# Altium PCB Mixed_Signal_Board_PCB.PcbDoc (part 1 of 4)
Units mm, origin at the board's own origin, x right, y up, seen from the top; angles counter-clockwise.
Board outline 144 x 107 mm, 4 copper layers (Top, PWR, GND, Bottom), stack 1.514 mm thick; 243 components, 208 nets, 912 pads, 526 vias.
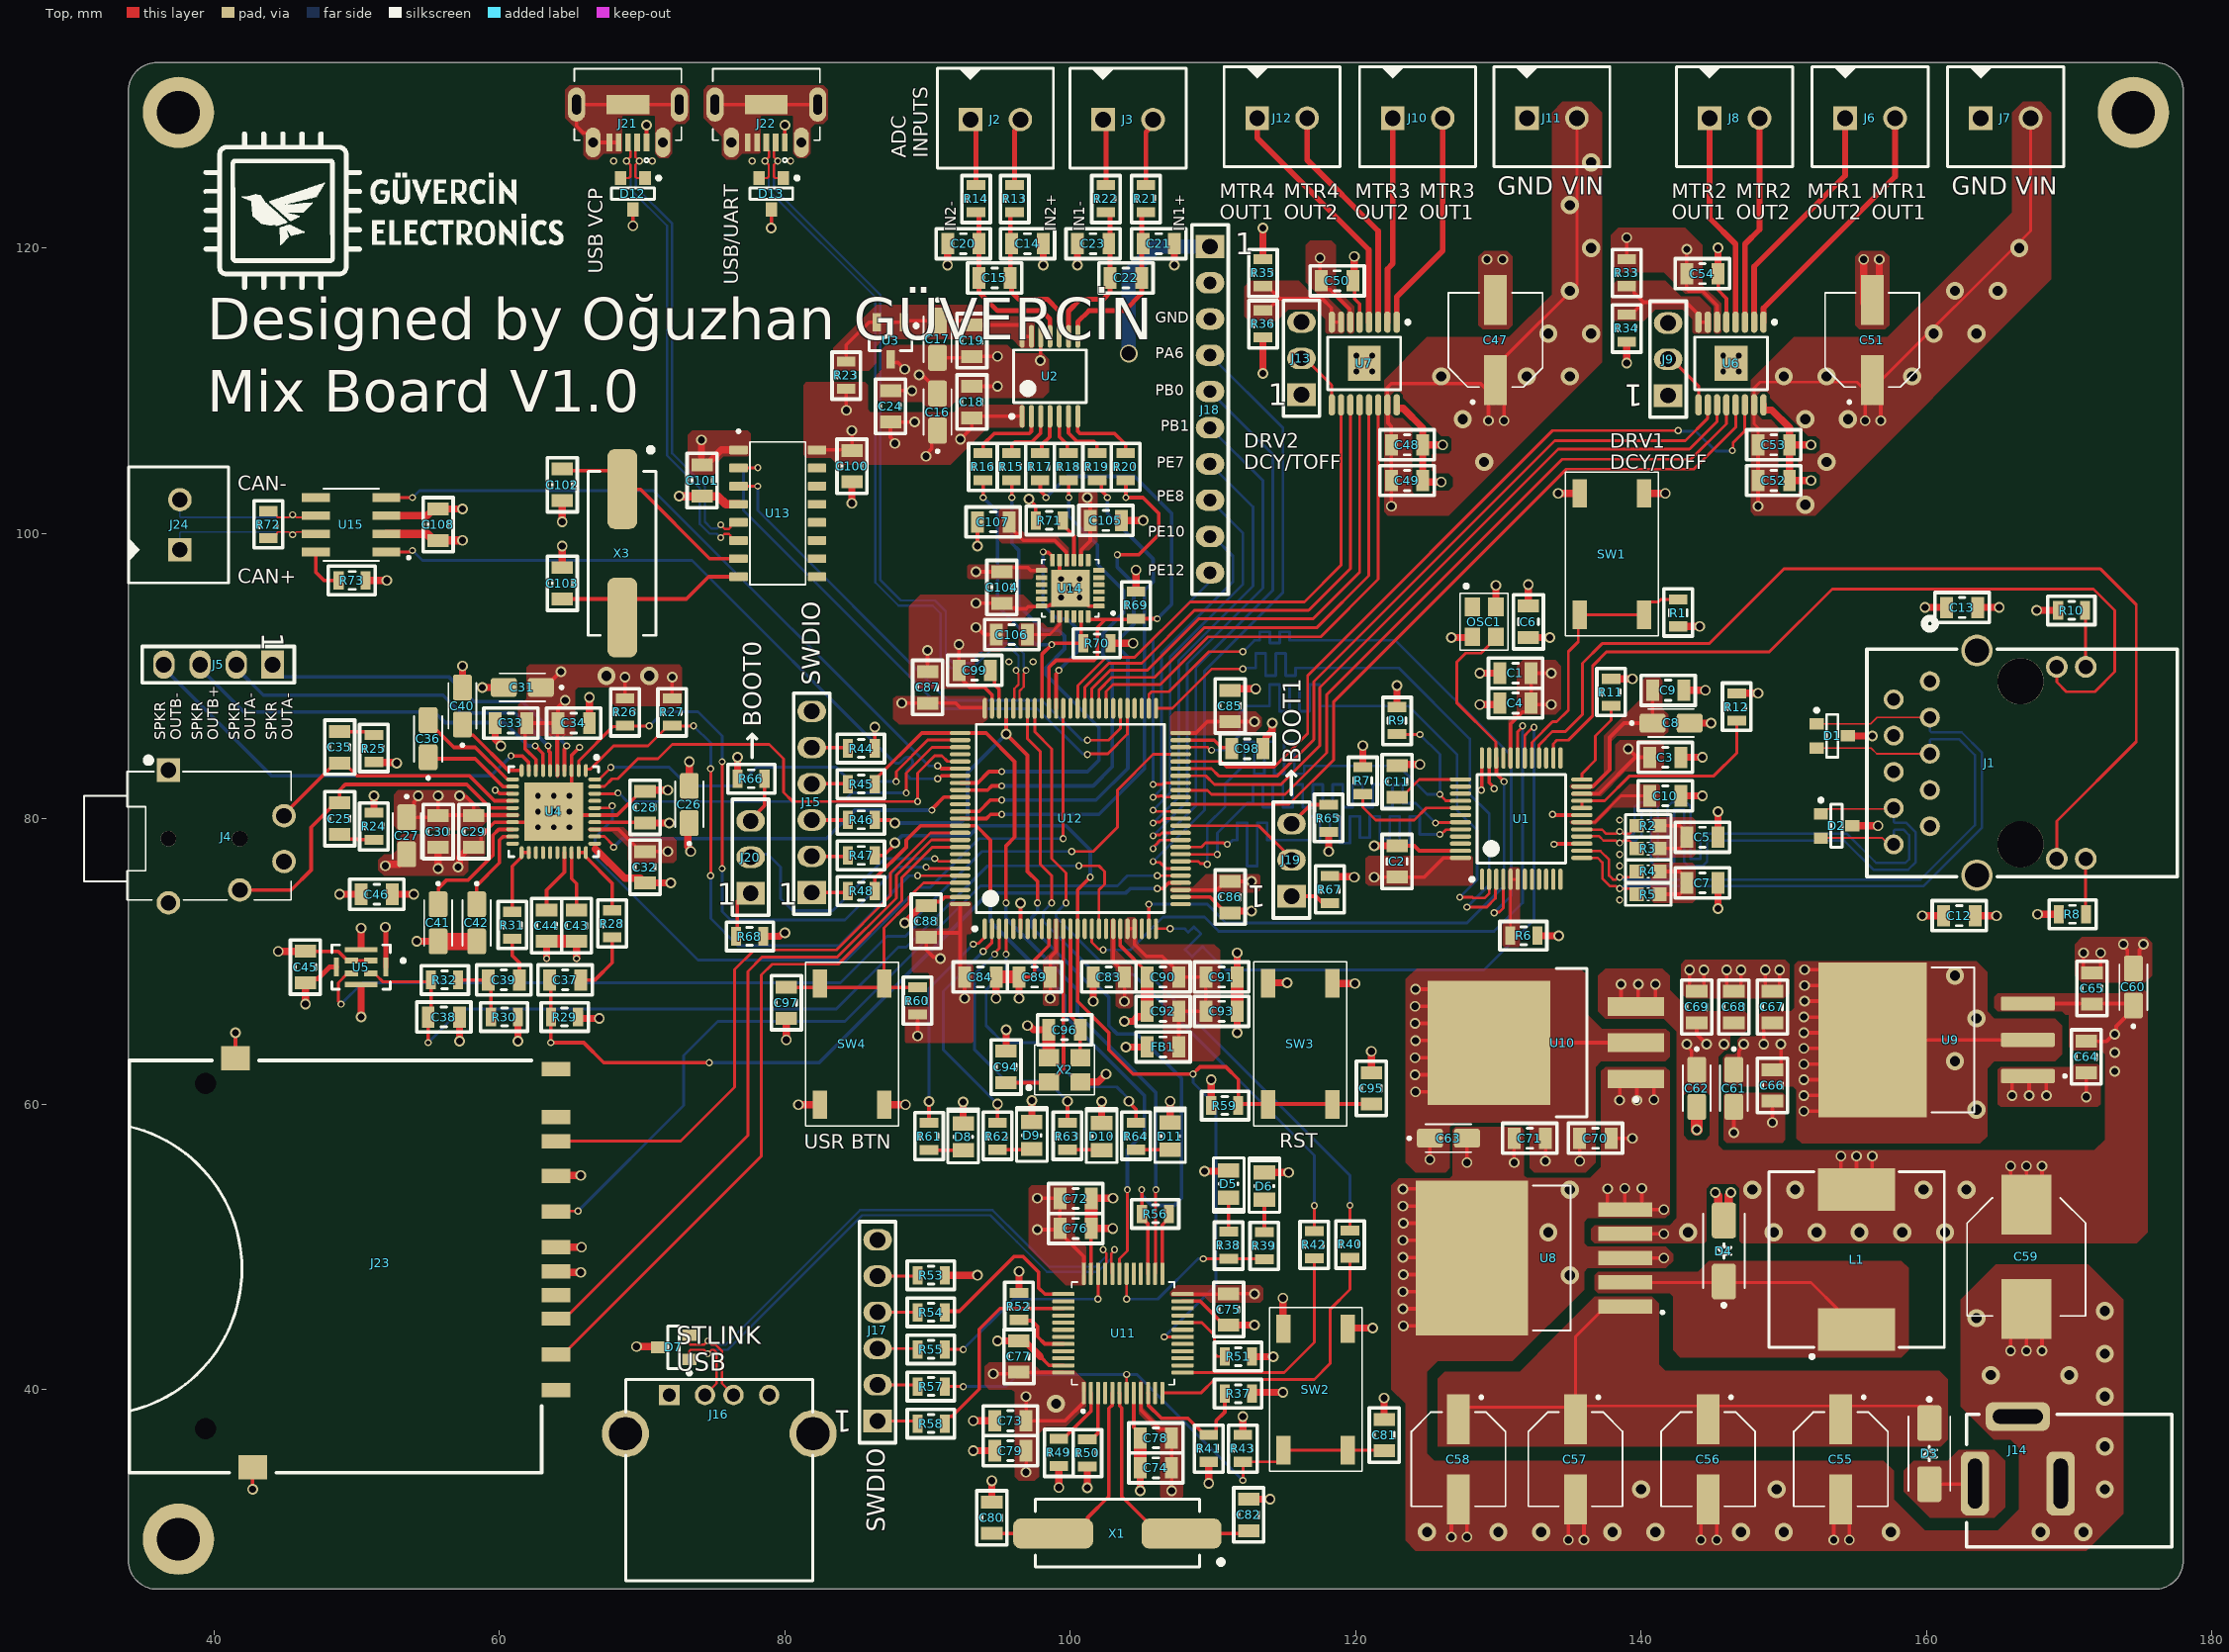
[diagram p0: Top view]
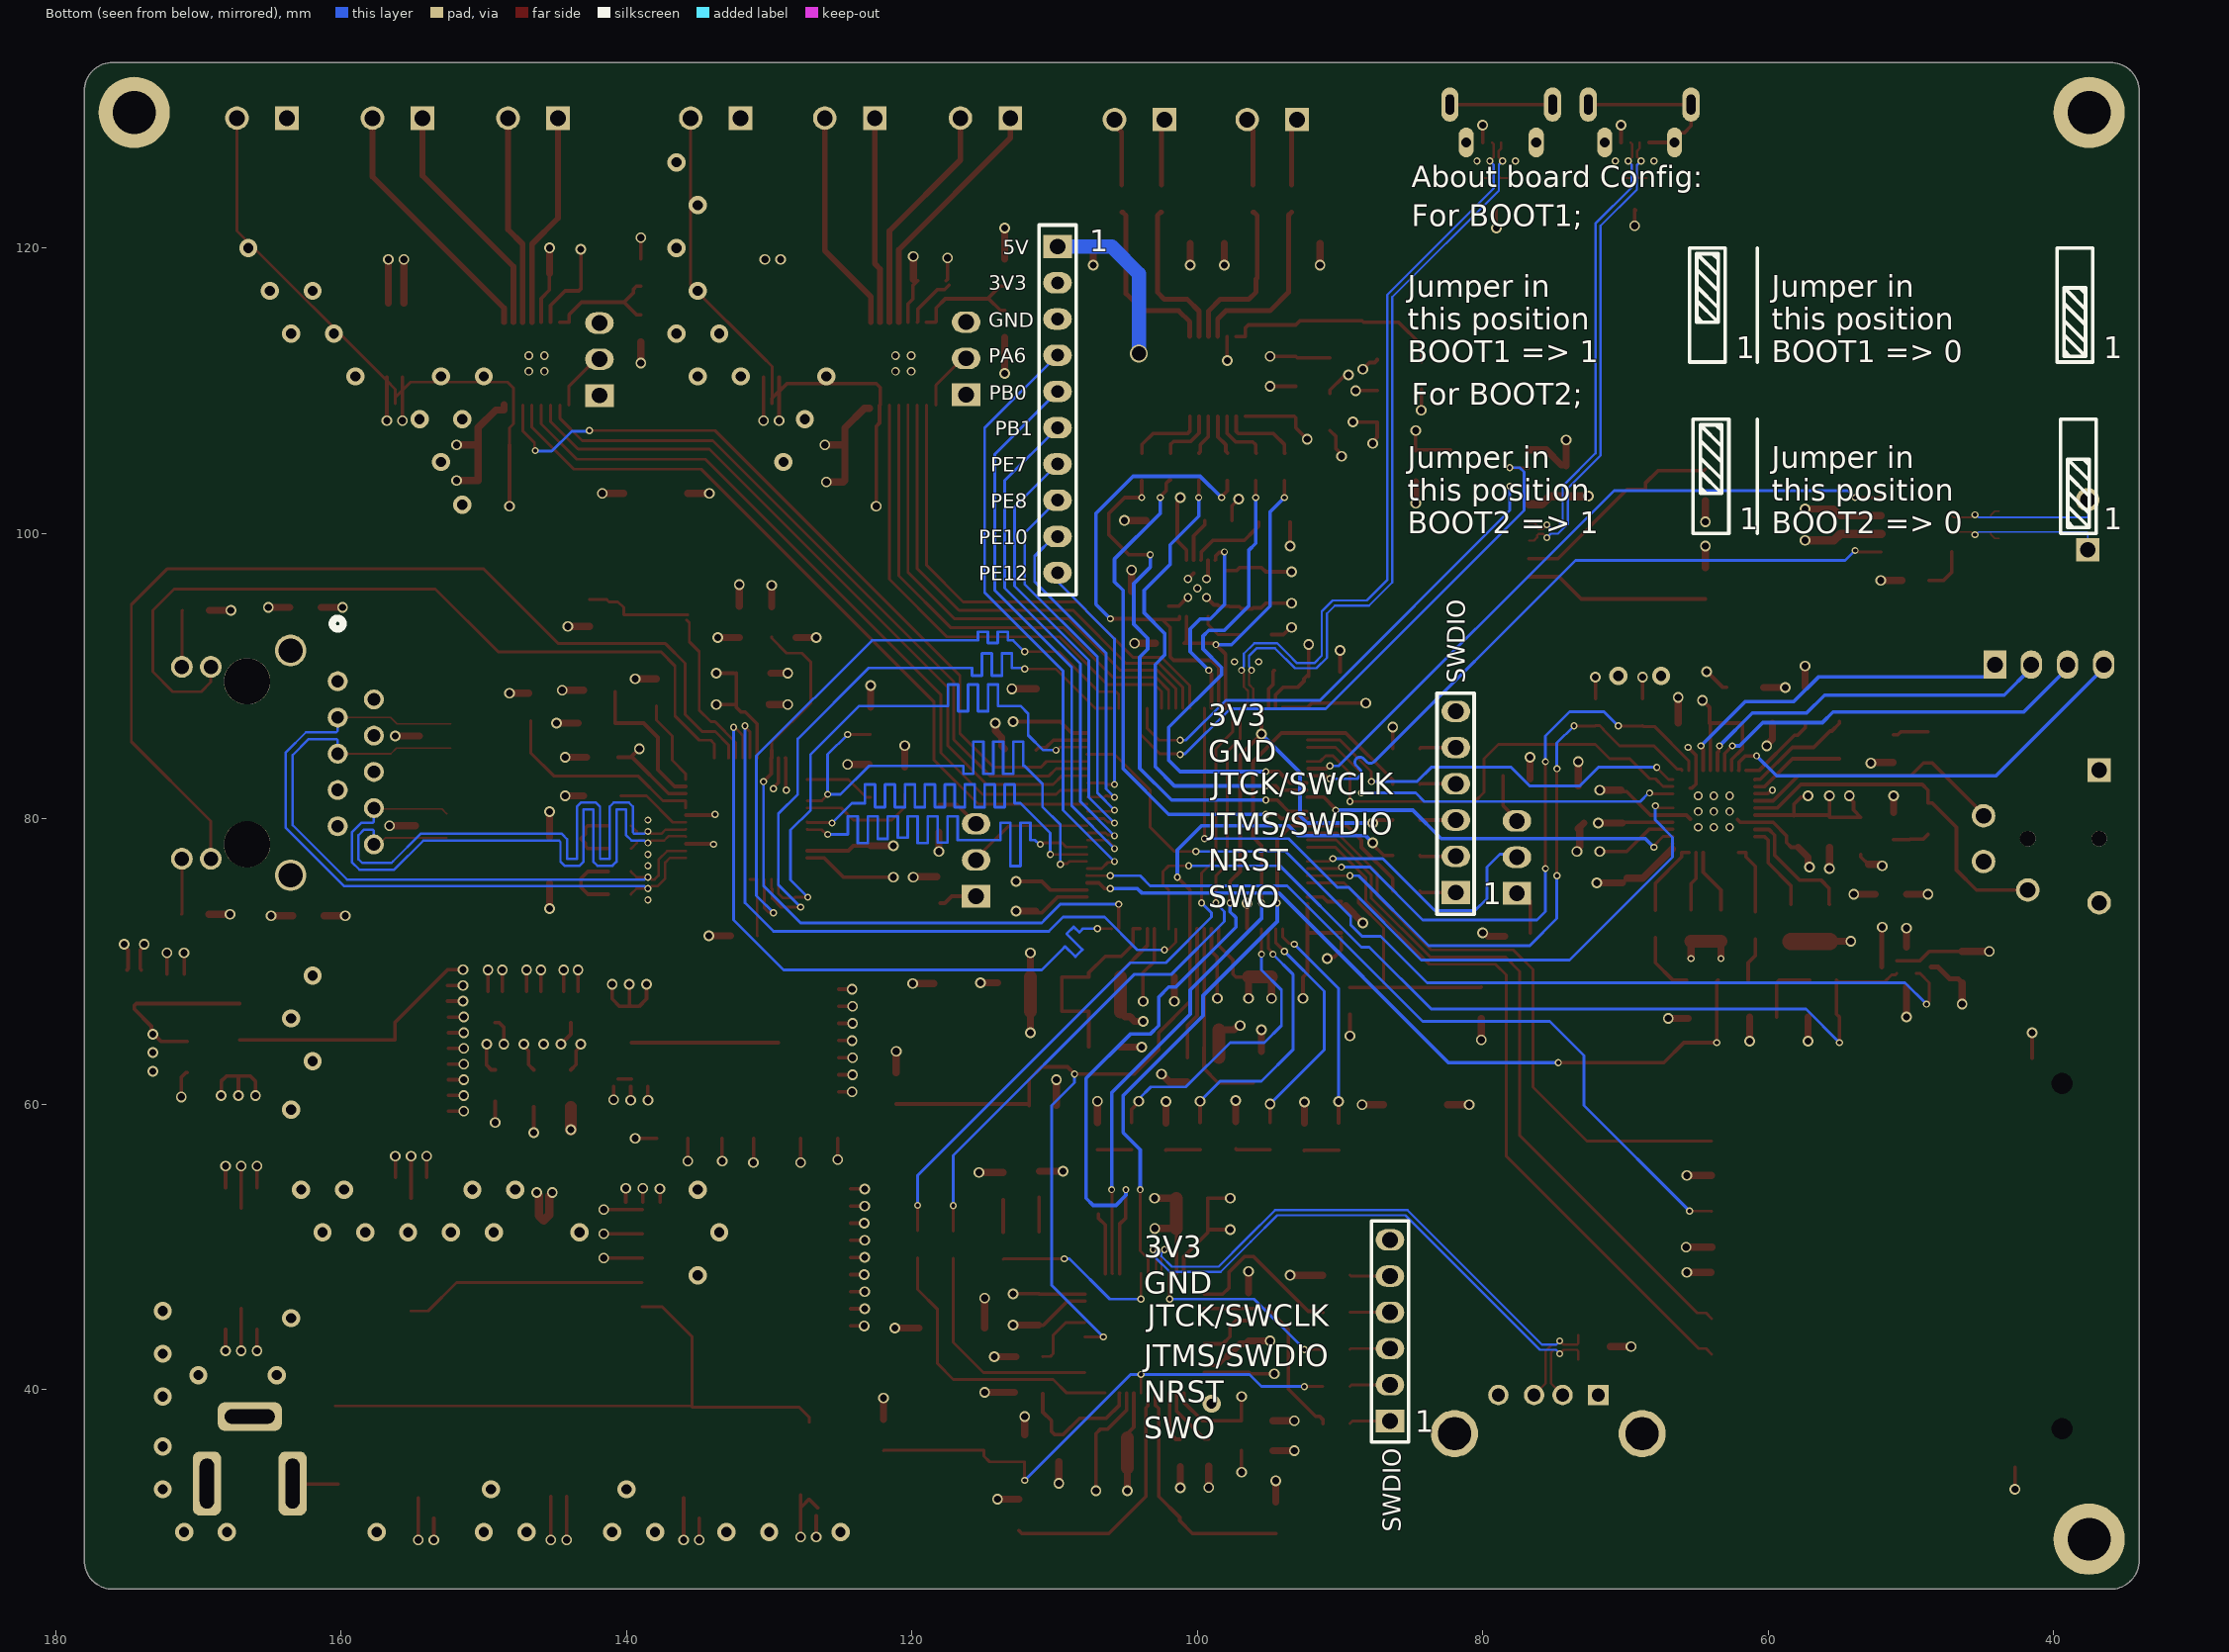
[diagram p1: Bottom view, seen from below]
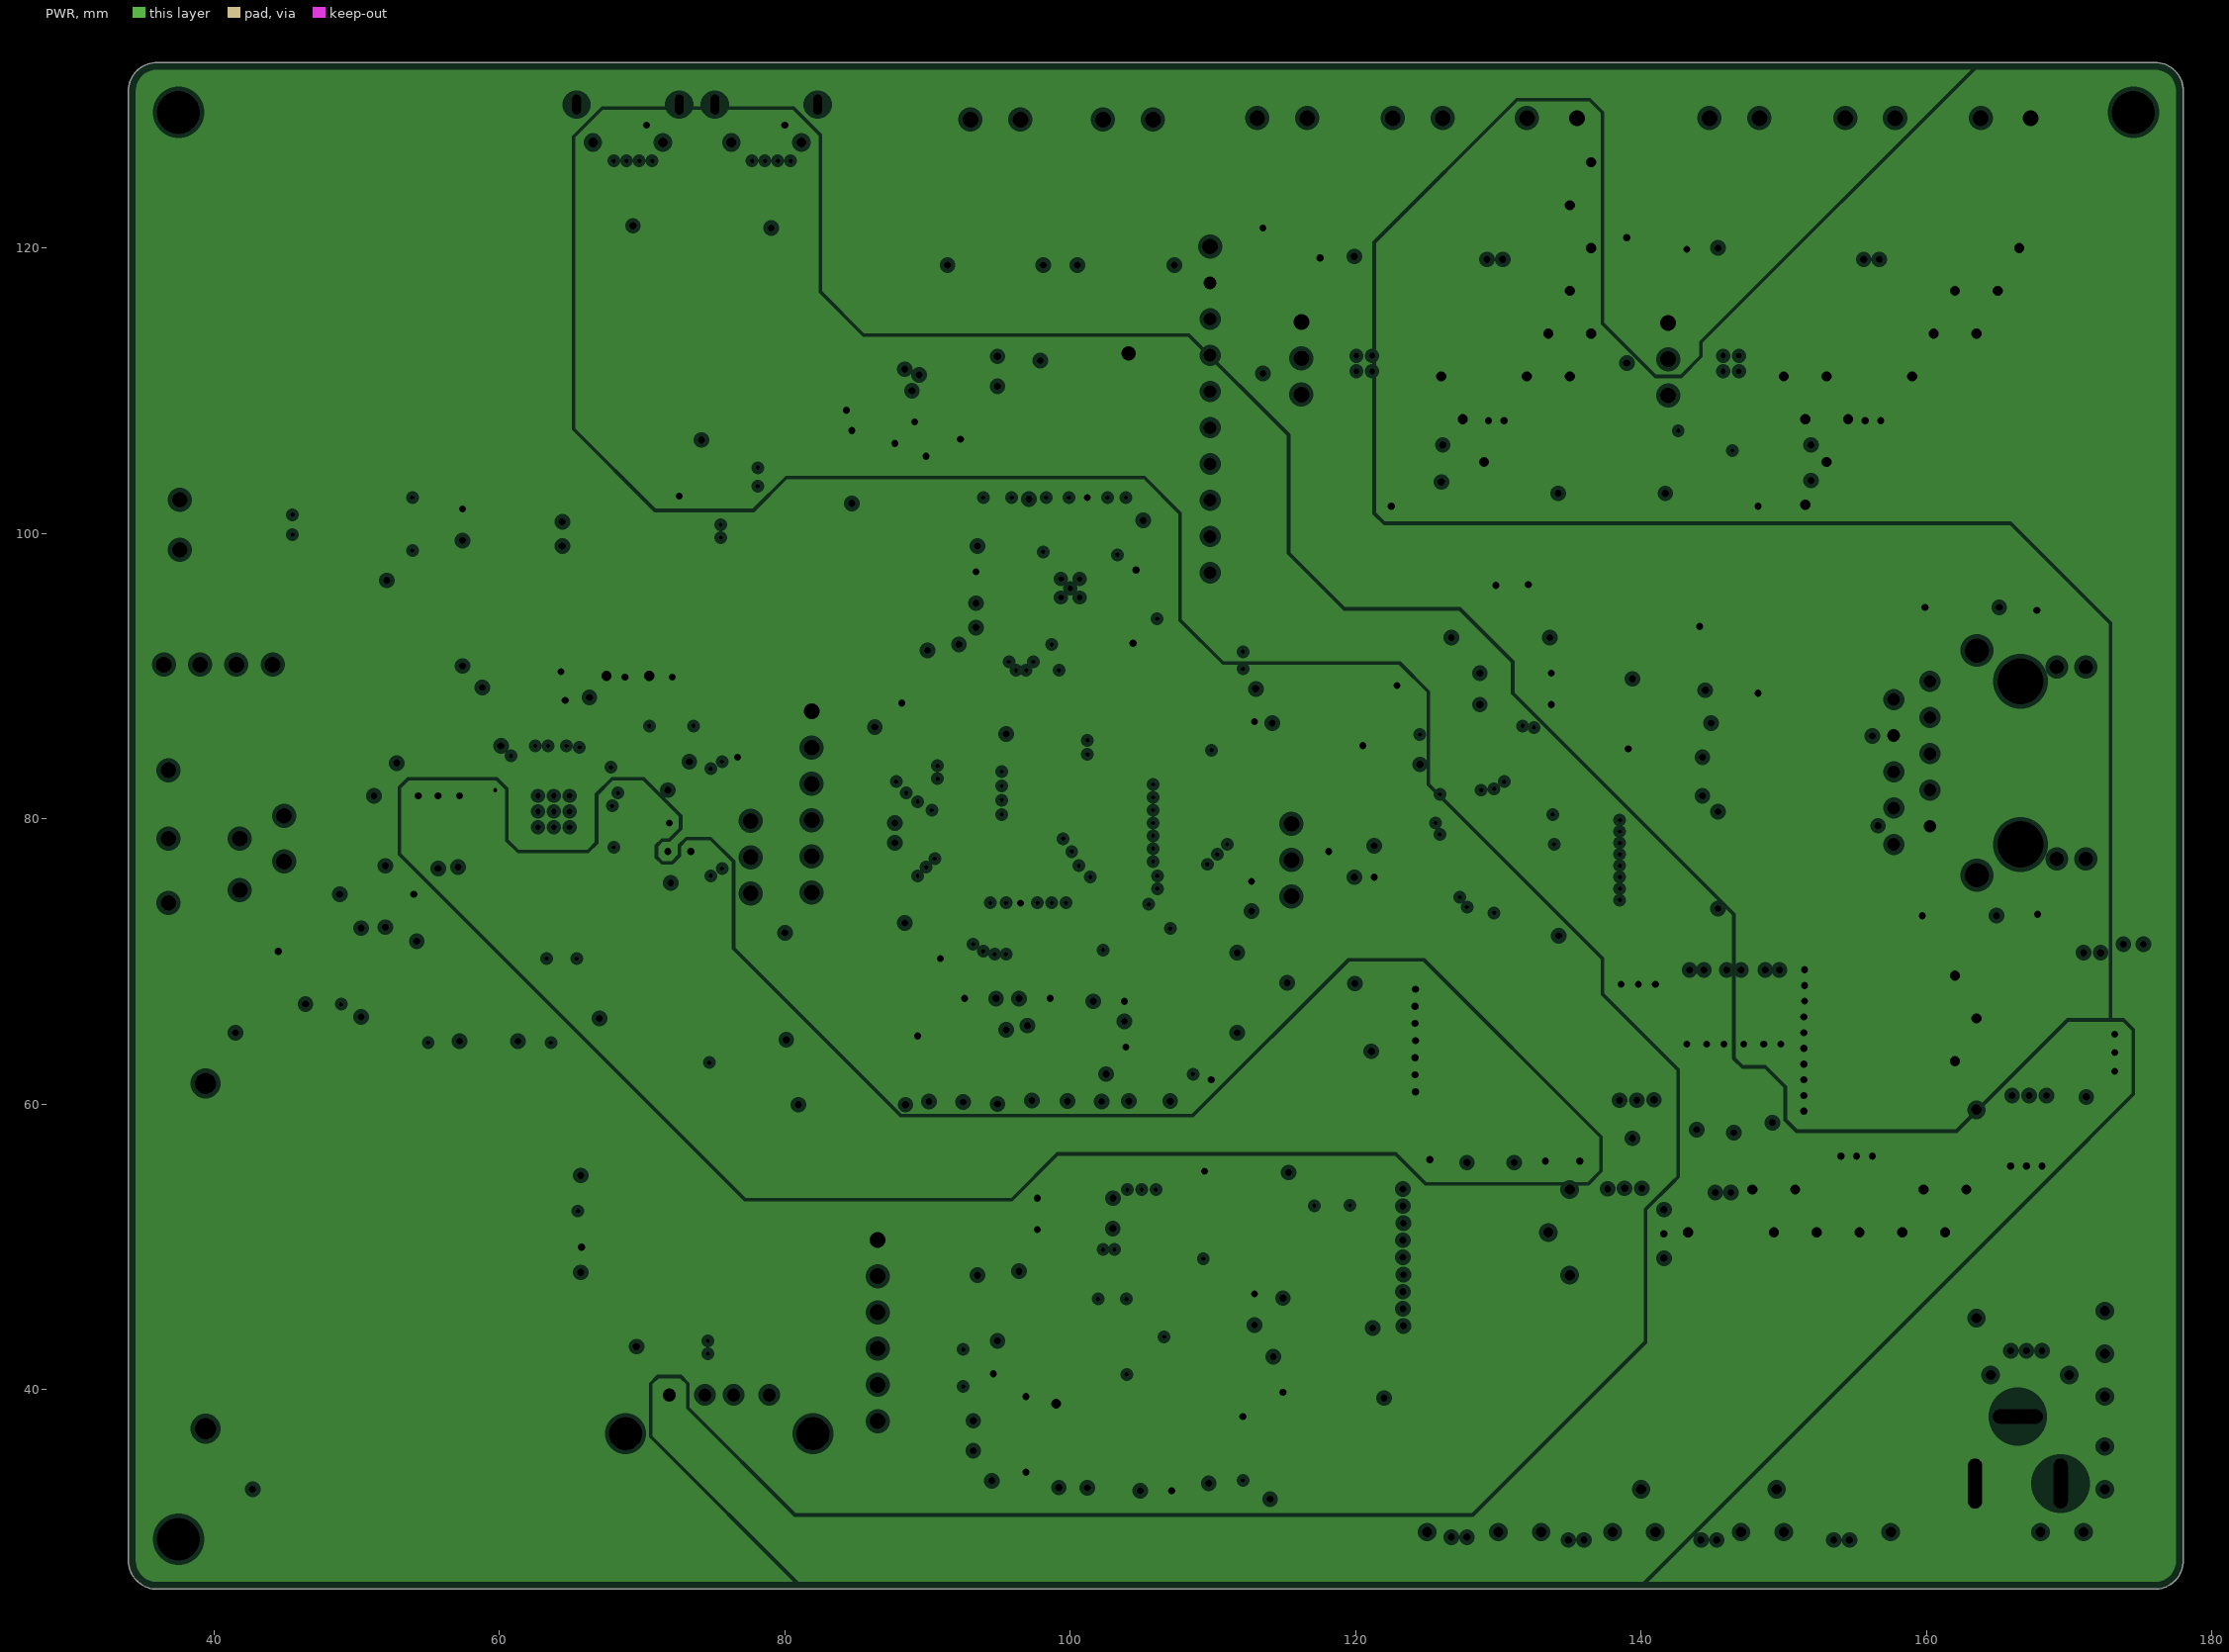
[diagram p2: PWR, clearances drawn from the general rule]
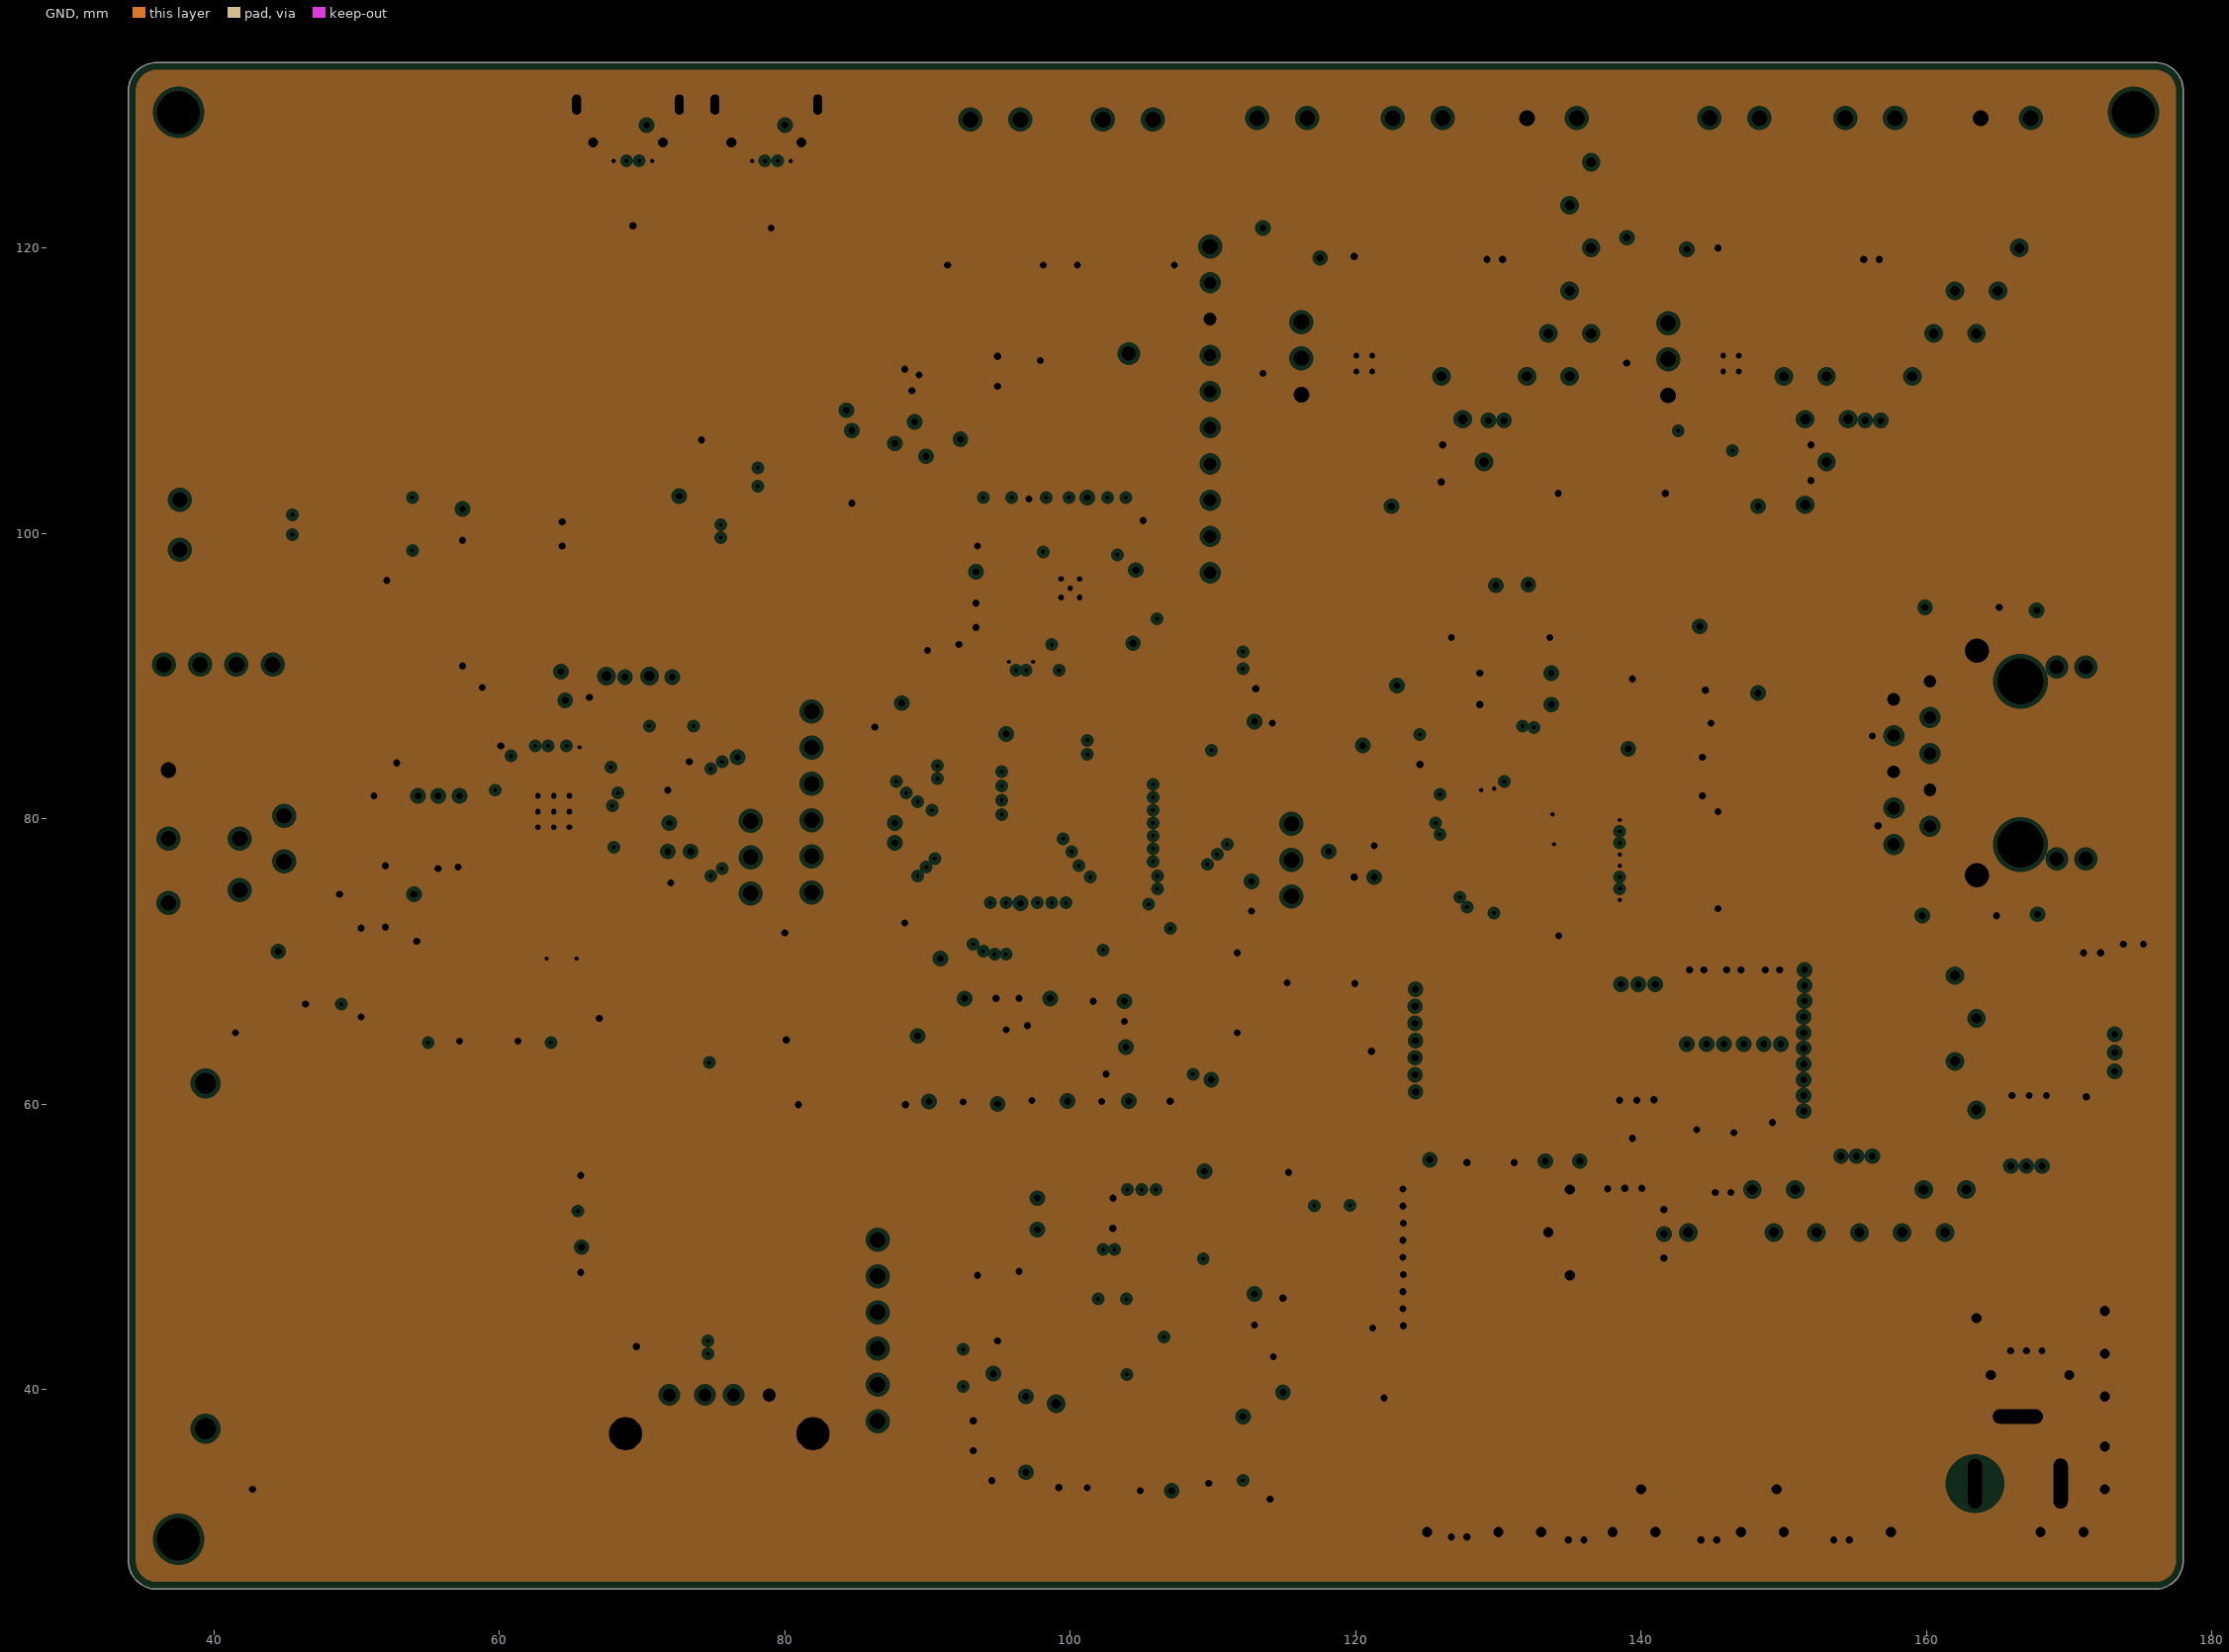
[diagram p3: GND, clearances drawn from the general rule]
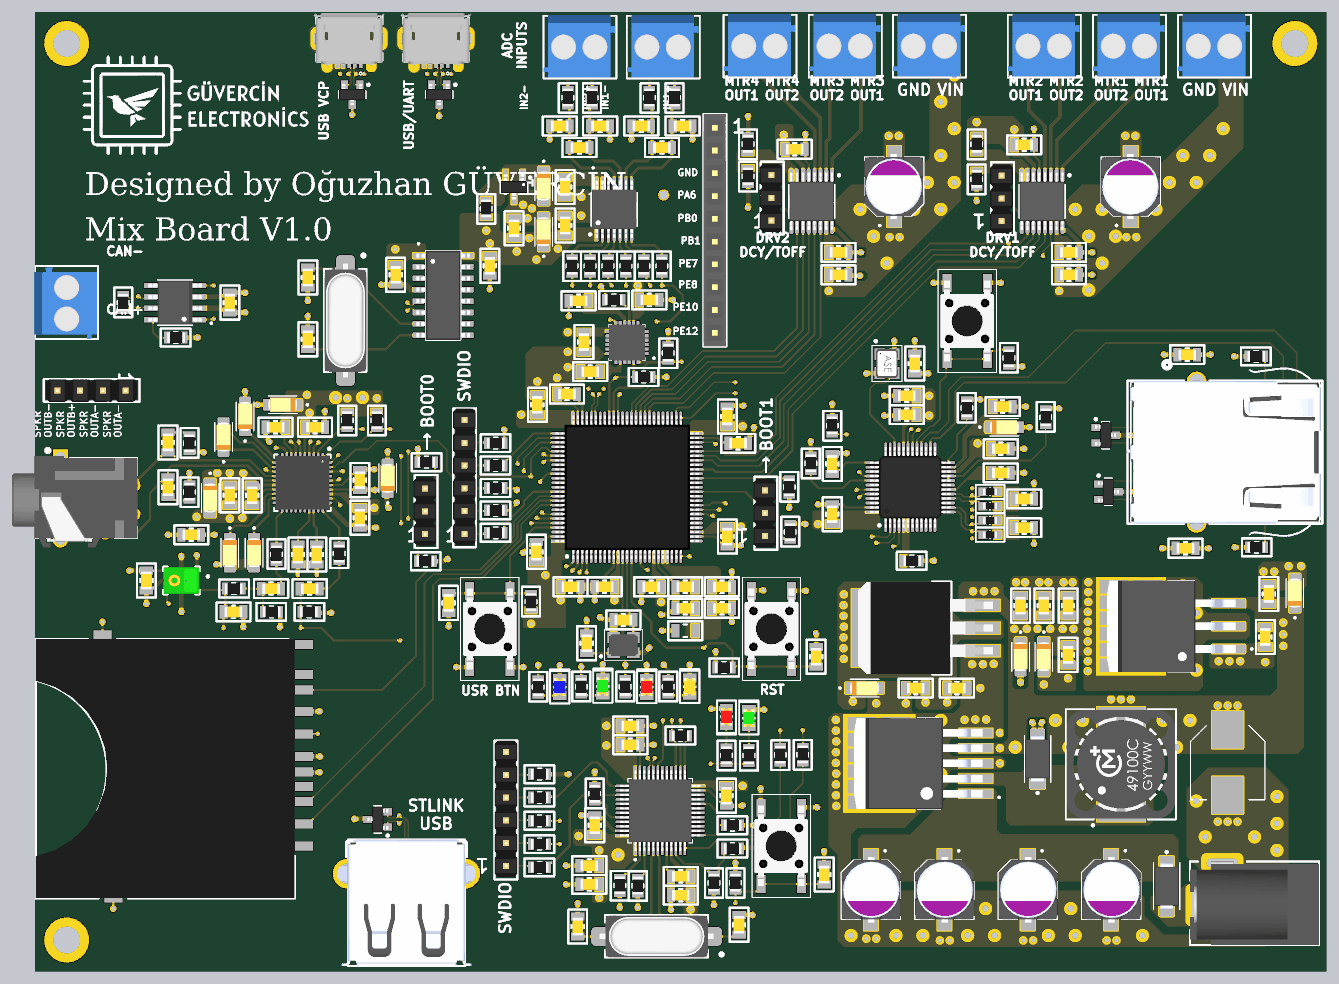
[diagram p7: 3D render of the assembled board from above, using the file's embedded part models]

## Layer stack, top to bottom
Top Solder: solder mask 0.0102, Solder Resist, Dk 3.5
Top: signal copper 0.035
Dielectric 2: prepreg 0.112, PP-006, Dk 4.2
PWR: plane copper 0.035, net (Multiple Nets)
Dielectric 1: core 1.15, FR-4, Dk 4.2
GND: plane copper 0.035, net GND
Dielectric 3: prepreg 0.112, PP-006, Dk 4.2
Bottom: signal copper 0.035
Bottom Solder: solder mask 0.0102, Solder Resist, Dk 3.5

## Board outline
34,28 34,131 cw(c36,131) 36,133 176,133 cw(c176,131) 178,131 178,28 cw(c176,28) 176,26 36,26 cw(c36,28)

## Design rules (kind name [scope] priority, off if disabled: settings)
Clearance [All] p1: gap=0.127 ignorepadtopadclearanceinfootprint=FALSE
DiffPairsRouting DiffPairsRouting_CAN [InDifferentialPairClass('CAN_120OHM')] p1: maxlimit=0.889 minlimit=0.889 mostfreqgap=0.889 toplayer_minwidth=0.127 toplayer_maxwidth=0.127 toplayer_prefwidth=0.127 bottomlayer_minwidth=0.127 bottomlayer_maxwidth=0.127 bottomlayer_prefwidth=0.127 impedanceprofiledriven=TRUE impedanceprofileid={03701FFC-5D5C-4641-A215-F2C7B356DDC7} impedanceprofilevalue=120.000000 maxuncoupledlength=12.7
DiffPairsRouting DiffPairsRouting_USB [InDifferentialPairClass('USB_90OHM')] p2: maxlimit=0.17 minlimit=0.17 mostfreqgap=0.17 toplayer_minwidth=0.184 toplayer_maxwidth=0.184 toplayer_prefwidth=0.184 bottomlayer_minwidth=0.184 bottomlayer_maxwidth=0.184 bottomlayer_prefwidth=0.184 impedanceprofiledriven=TRUE impedanceprofileid={DDE1833E-9C6A-44D7-A868-4C4E1A09E4C6} impedanceprofilevalue=90.000000 maxuncoupledlength=12.7
DiffPairsRouting DiffPairsRouting_ETH [InDifferentialPairClass('ETH_100OHM')] p3: maxlimit=0.305 minlimit=0.305 mostfreqgap=0.305 toplayer_minwidth=0.169 toplayer_maxwidth=0.169 toplayer_prefwidth=0.169 bottomlayer_minwidth=0.169 bottomlayer_maxwidth=0.169 bottomlayer_prefwidth=0.169 impedanceprofiledriven=TRUE impedanceprofileid={83CB72C3-CF06-4E64-9EF3-D6487BE1EA8D} impedanceprofilevalue=100.000000 maxuncoupledlength=12.7
HoleSize [All] p1: absolutevalues=TRUE maxlimit=6.5 minlimit=0.2 maxpercent=80.000 minpercent=20.000
MinimumSolderMaskSliver [All] p1: minsoldermaskwidth=0
PlaneClearance [All] p1: clearance=0.3
PlaneConnect [All] p1: planeconnectstyle=Direct reliefexpansion=0.508 reliefentries=4 reliefconductorwidth=0.254 reliefairgap=0.254
PolygonConnect [All] p1: connectstyle=Direct reliefconductorwidth=0.254 reliefentries=4 polygonreliefangle="90 Angle" airgapwidth=0.254
RoutingVias [All] p1: holewidth=0.711 width=1.27 viastyle="Through Hole" minholewidth=0.711 minwidth=1.27 maxholewidth=0.711 maxwidth=1.27
SilkToSilkClearance [All] p1: silktosilkclearance=0.152
SilkToSolderMaskClearance [IsPad] p1: minsilkscreentomaskgap=0 clearancetoexposedcopper=TRUE
SolderMaskExpansion [All] p1: expansion=0.102 istentingtop=FALSE
Width Width_SE50 [InNetClass('RMII')] p1: maxlimit=0.191 minlimit=0.191 preferedwidth=0.191 impedanceprofiledriven=TRUE impedanceprofileid={64908FD9-3E85-4EB9-9AEA-F5CFE13331E9} impedanceprofilevalue=50.000000 minimp=50.000000 maximp=50.000000 favimp=50.000000
Width [All] p2: maxlimit=10 minlimit=0.127 preferedwidth=0.254 minimp=50.000000 maximp=50.000000 favimp=50.000000
23 further rules are at their usual default settings.
